# Altium PCB druino_uno_pcb.PcbDoc (part 1 of 3)
Units mm, origin at the board's own origin, x right, y up, seen from the top; angles counter-clockwise.
Board outline 68.58 x 53.34 mm, 4 copper layers (TOP, PWR, GND, BOT), stack 1.466 mm thick; 228 components, 134 nets, 720 pads, 314 vias.
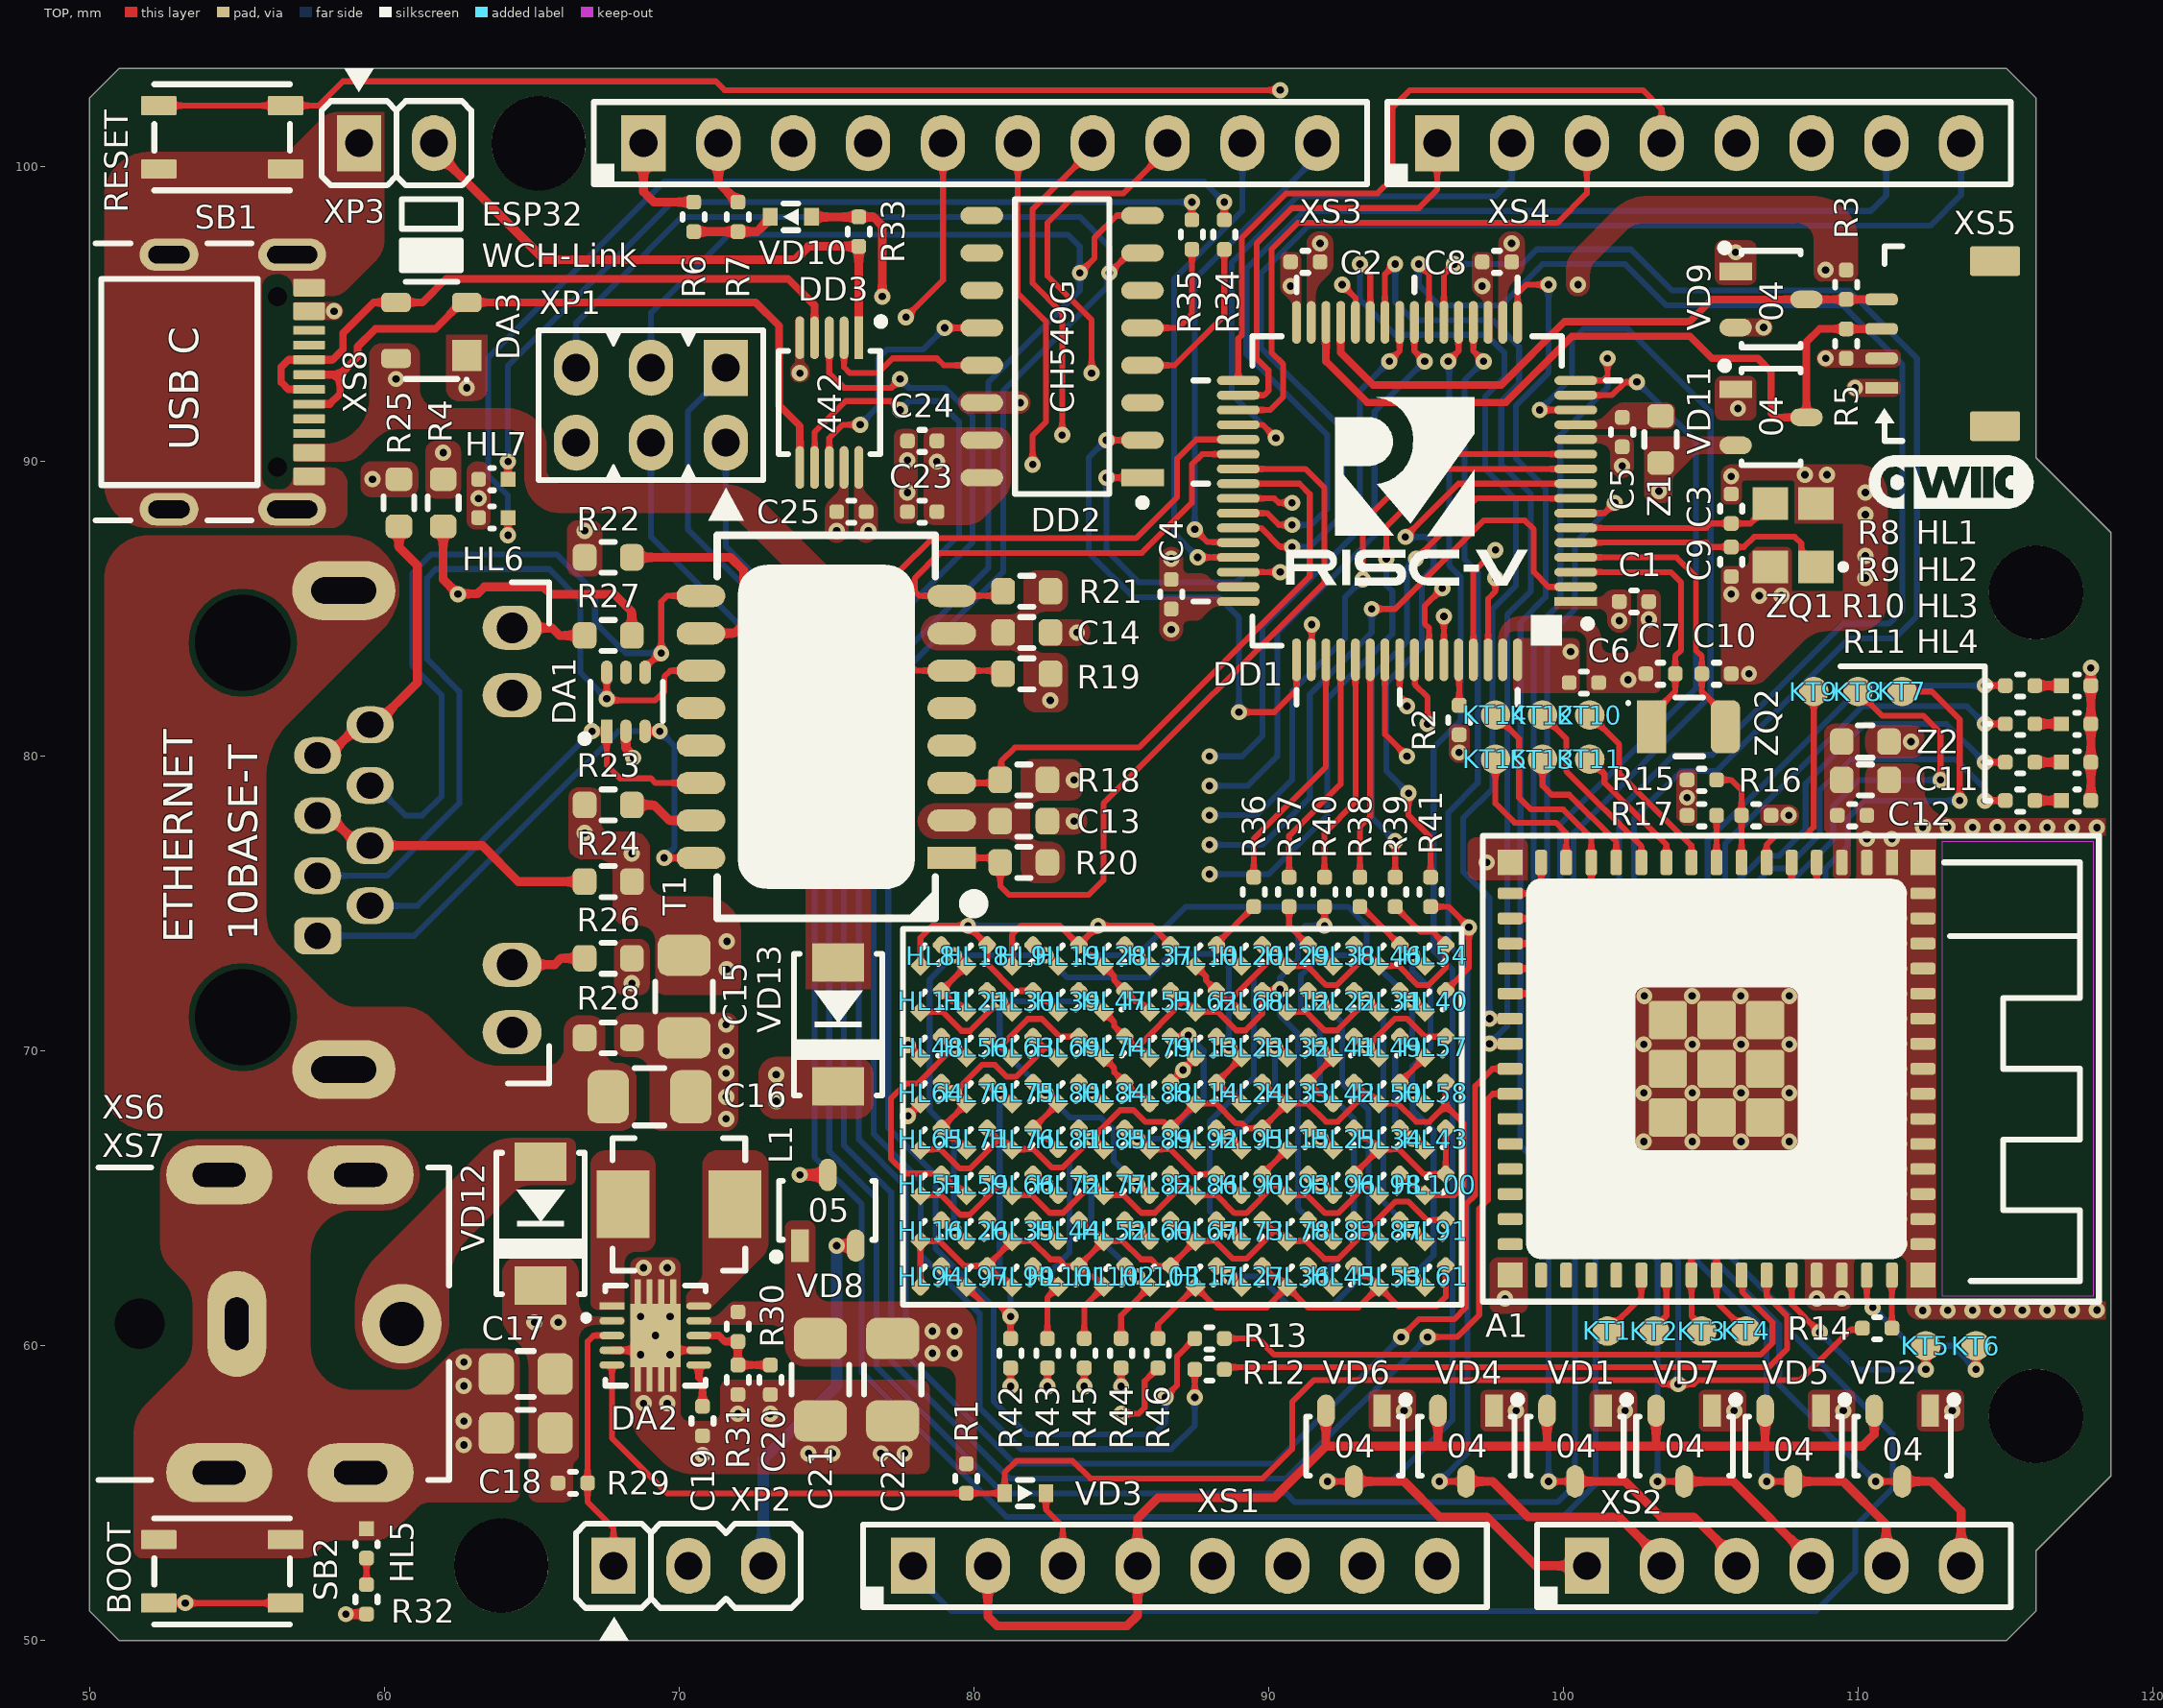
[diagram p0: TOP view]
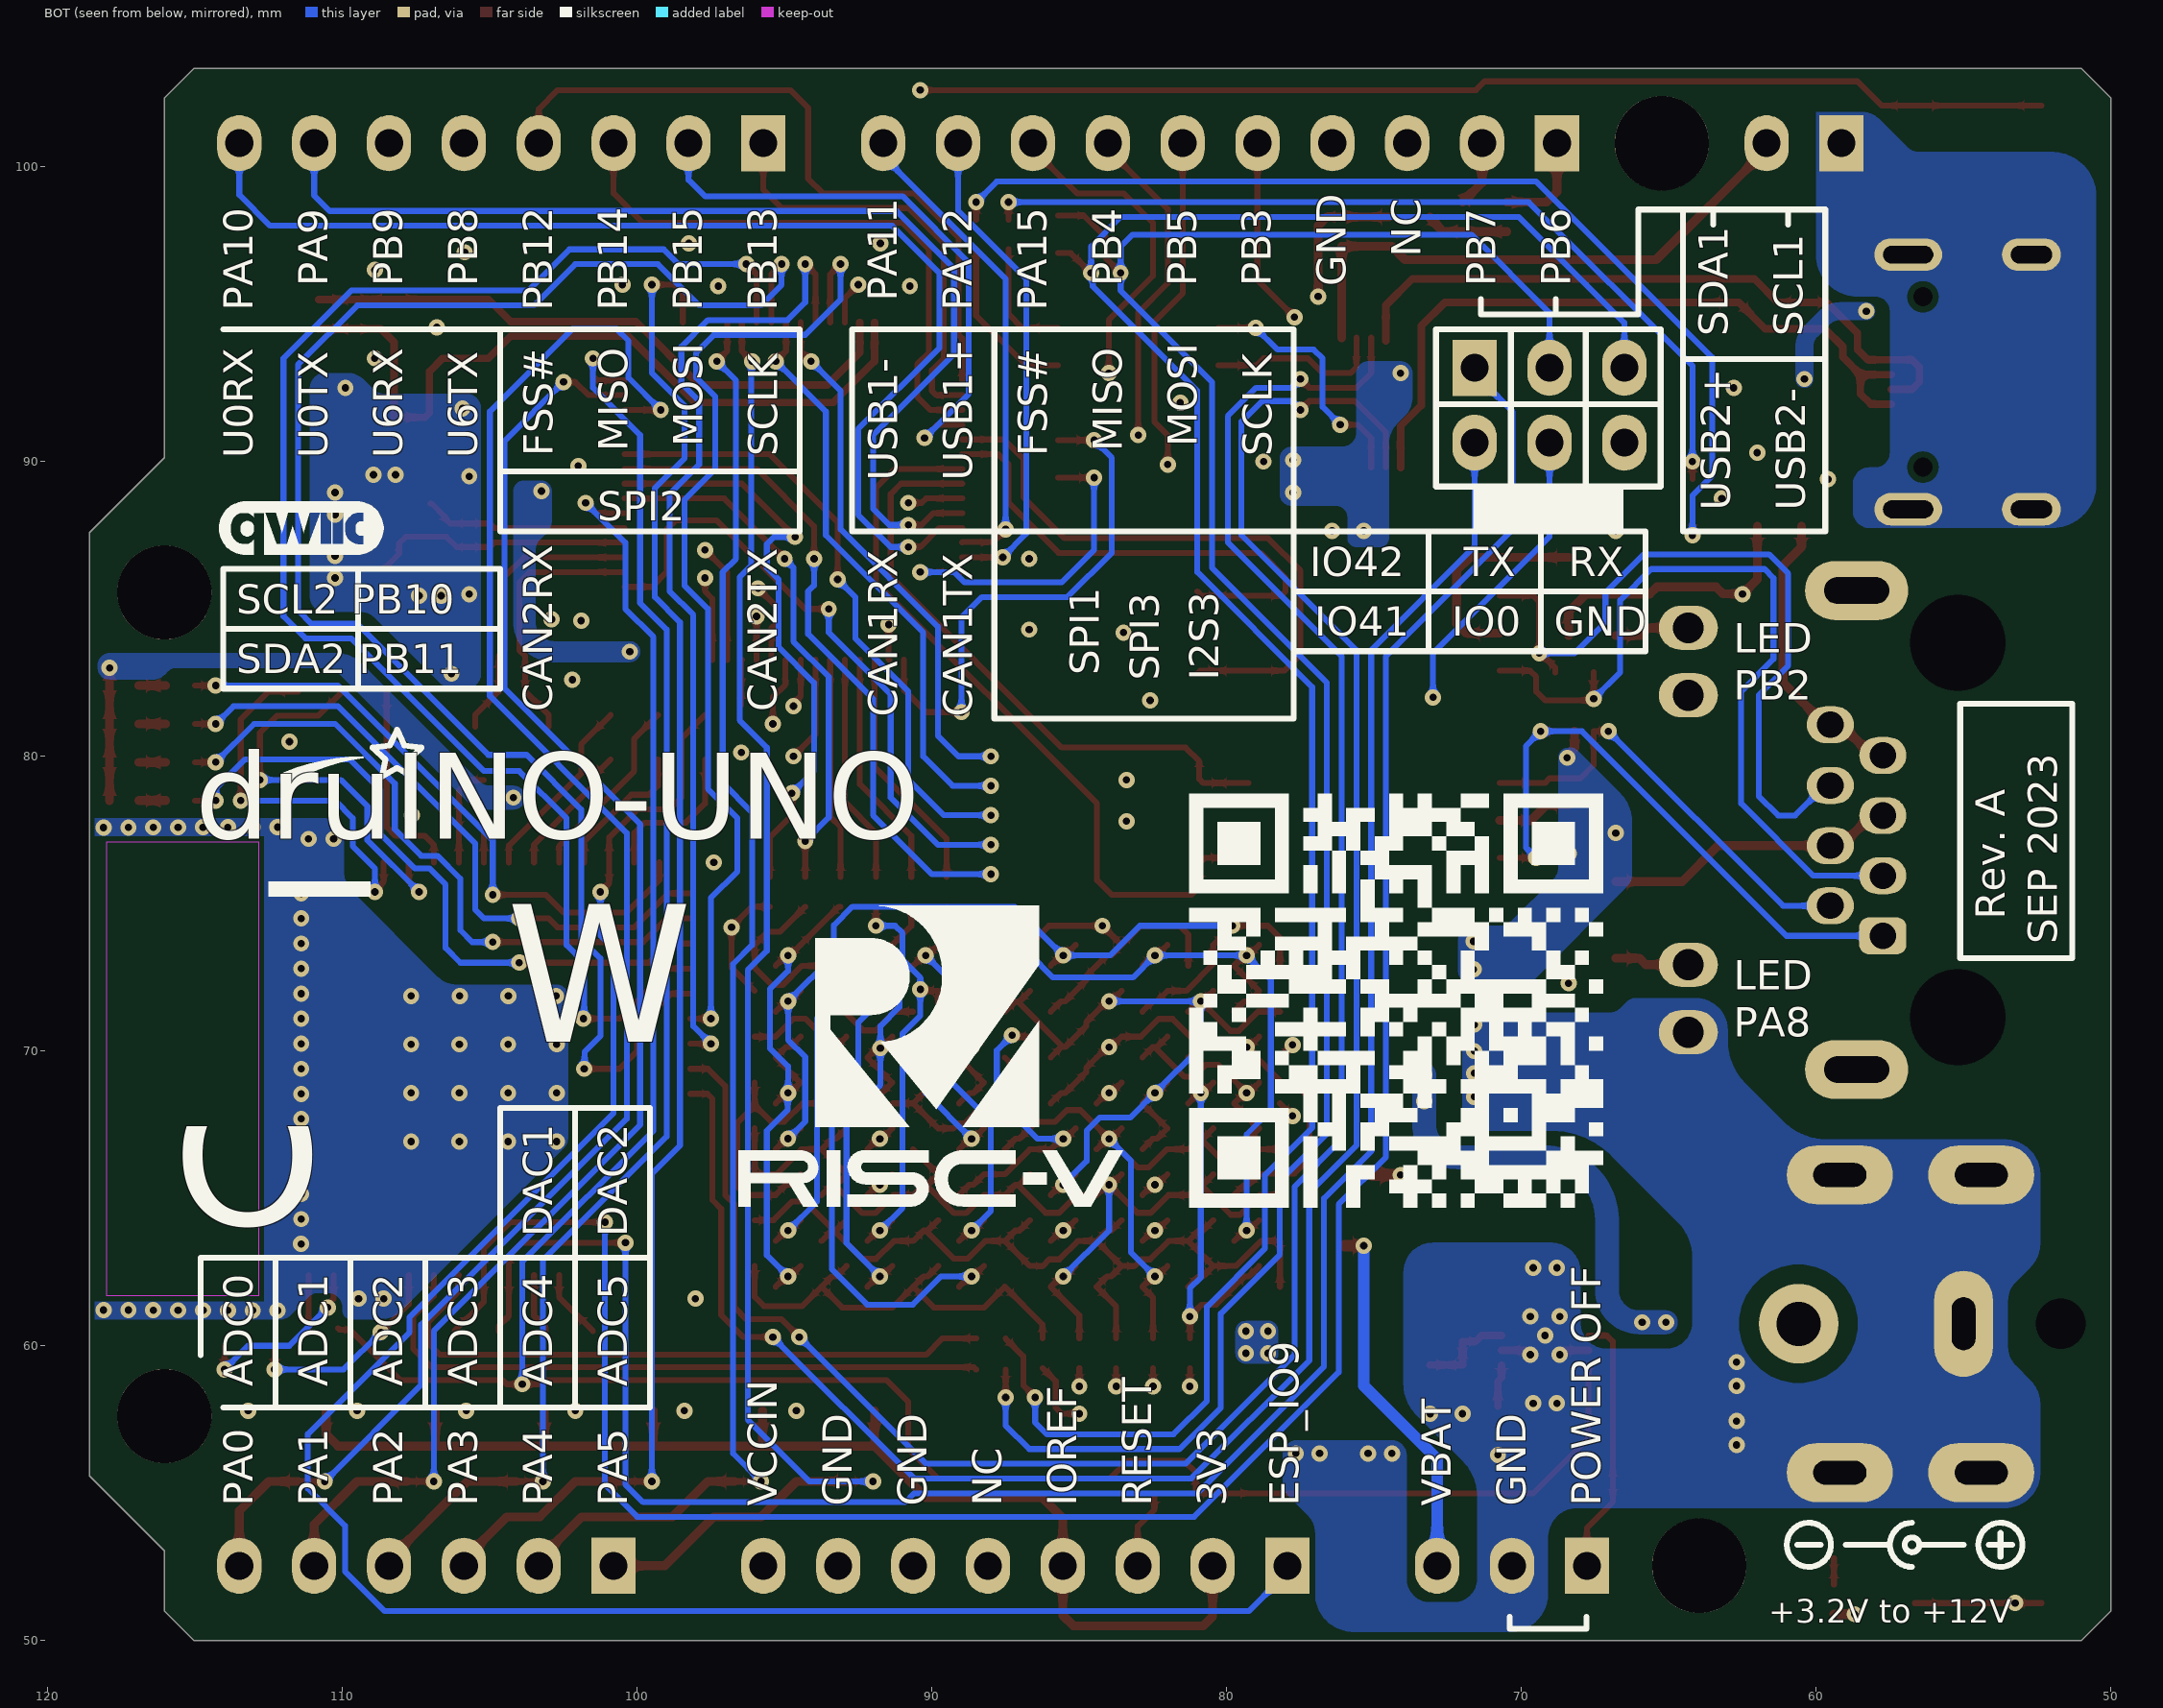
[diagram p1: BOT view, seen from below]
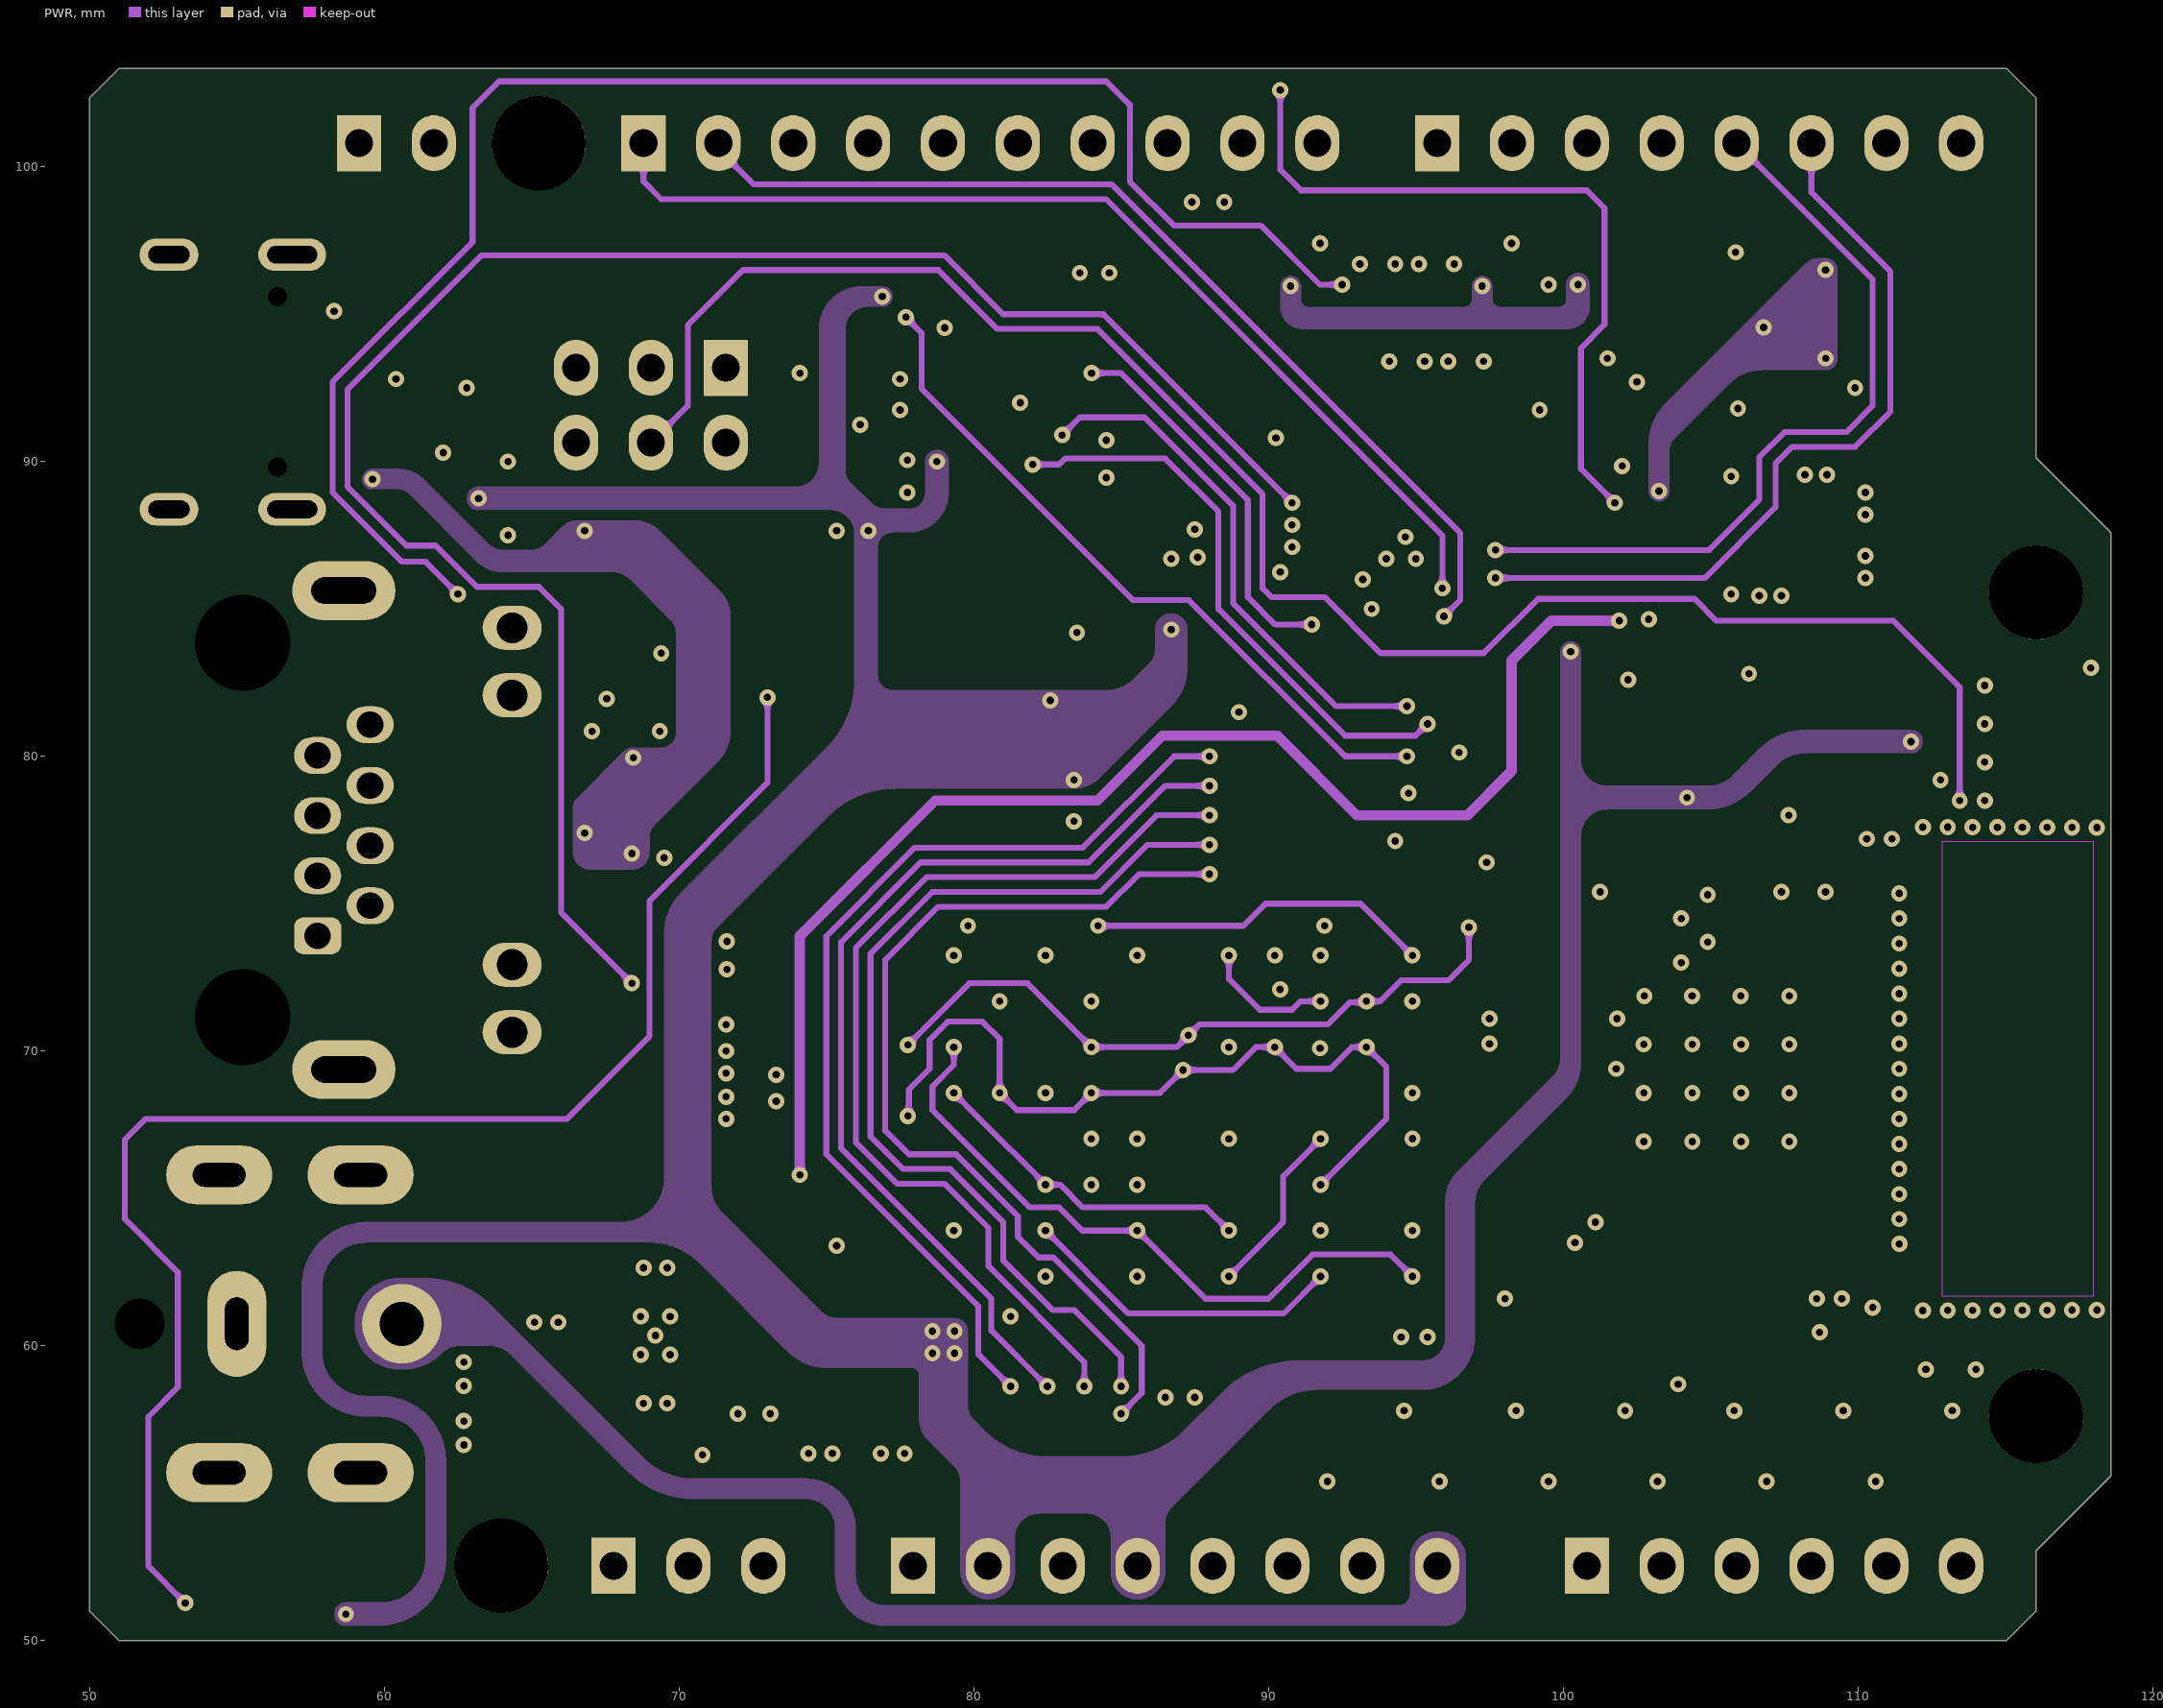
[diagram p2: PWR]
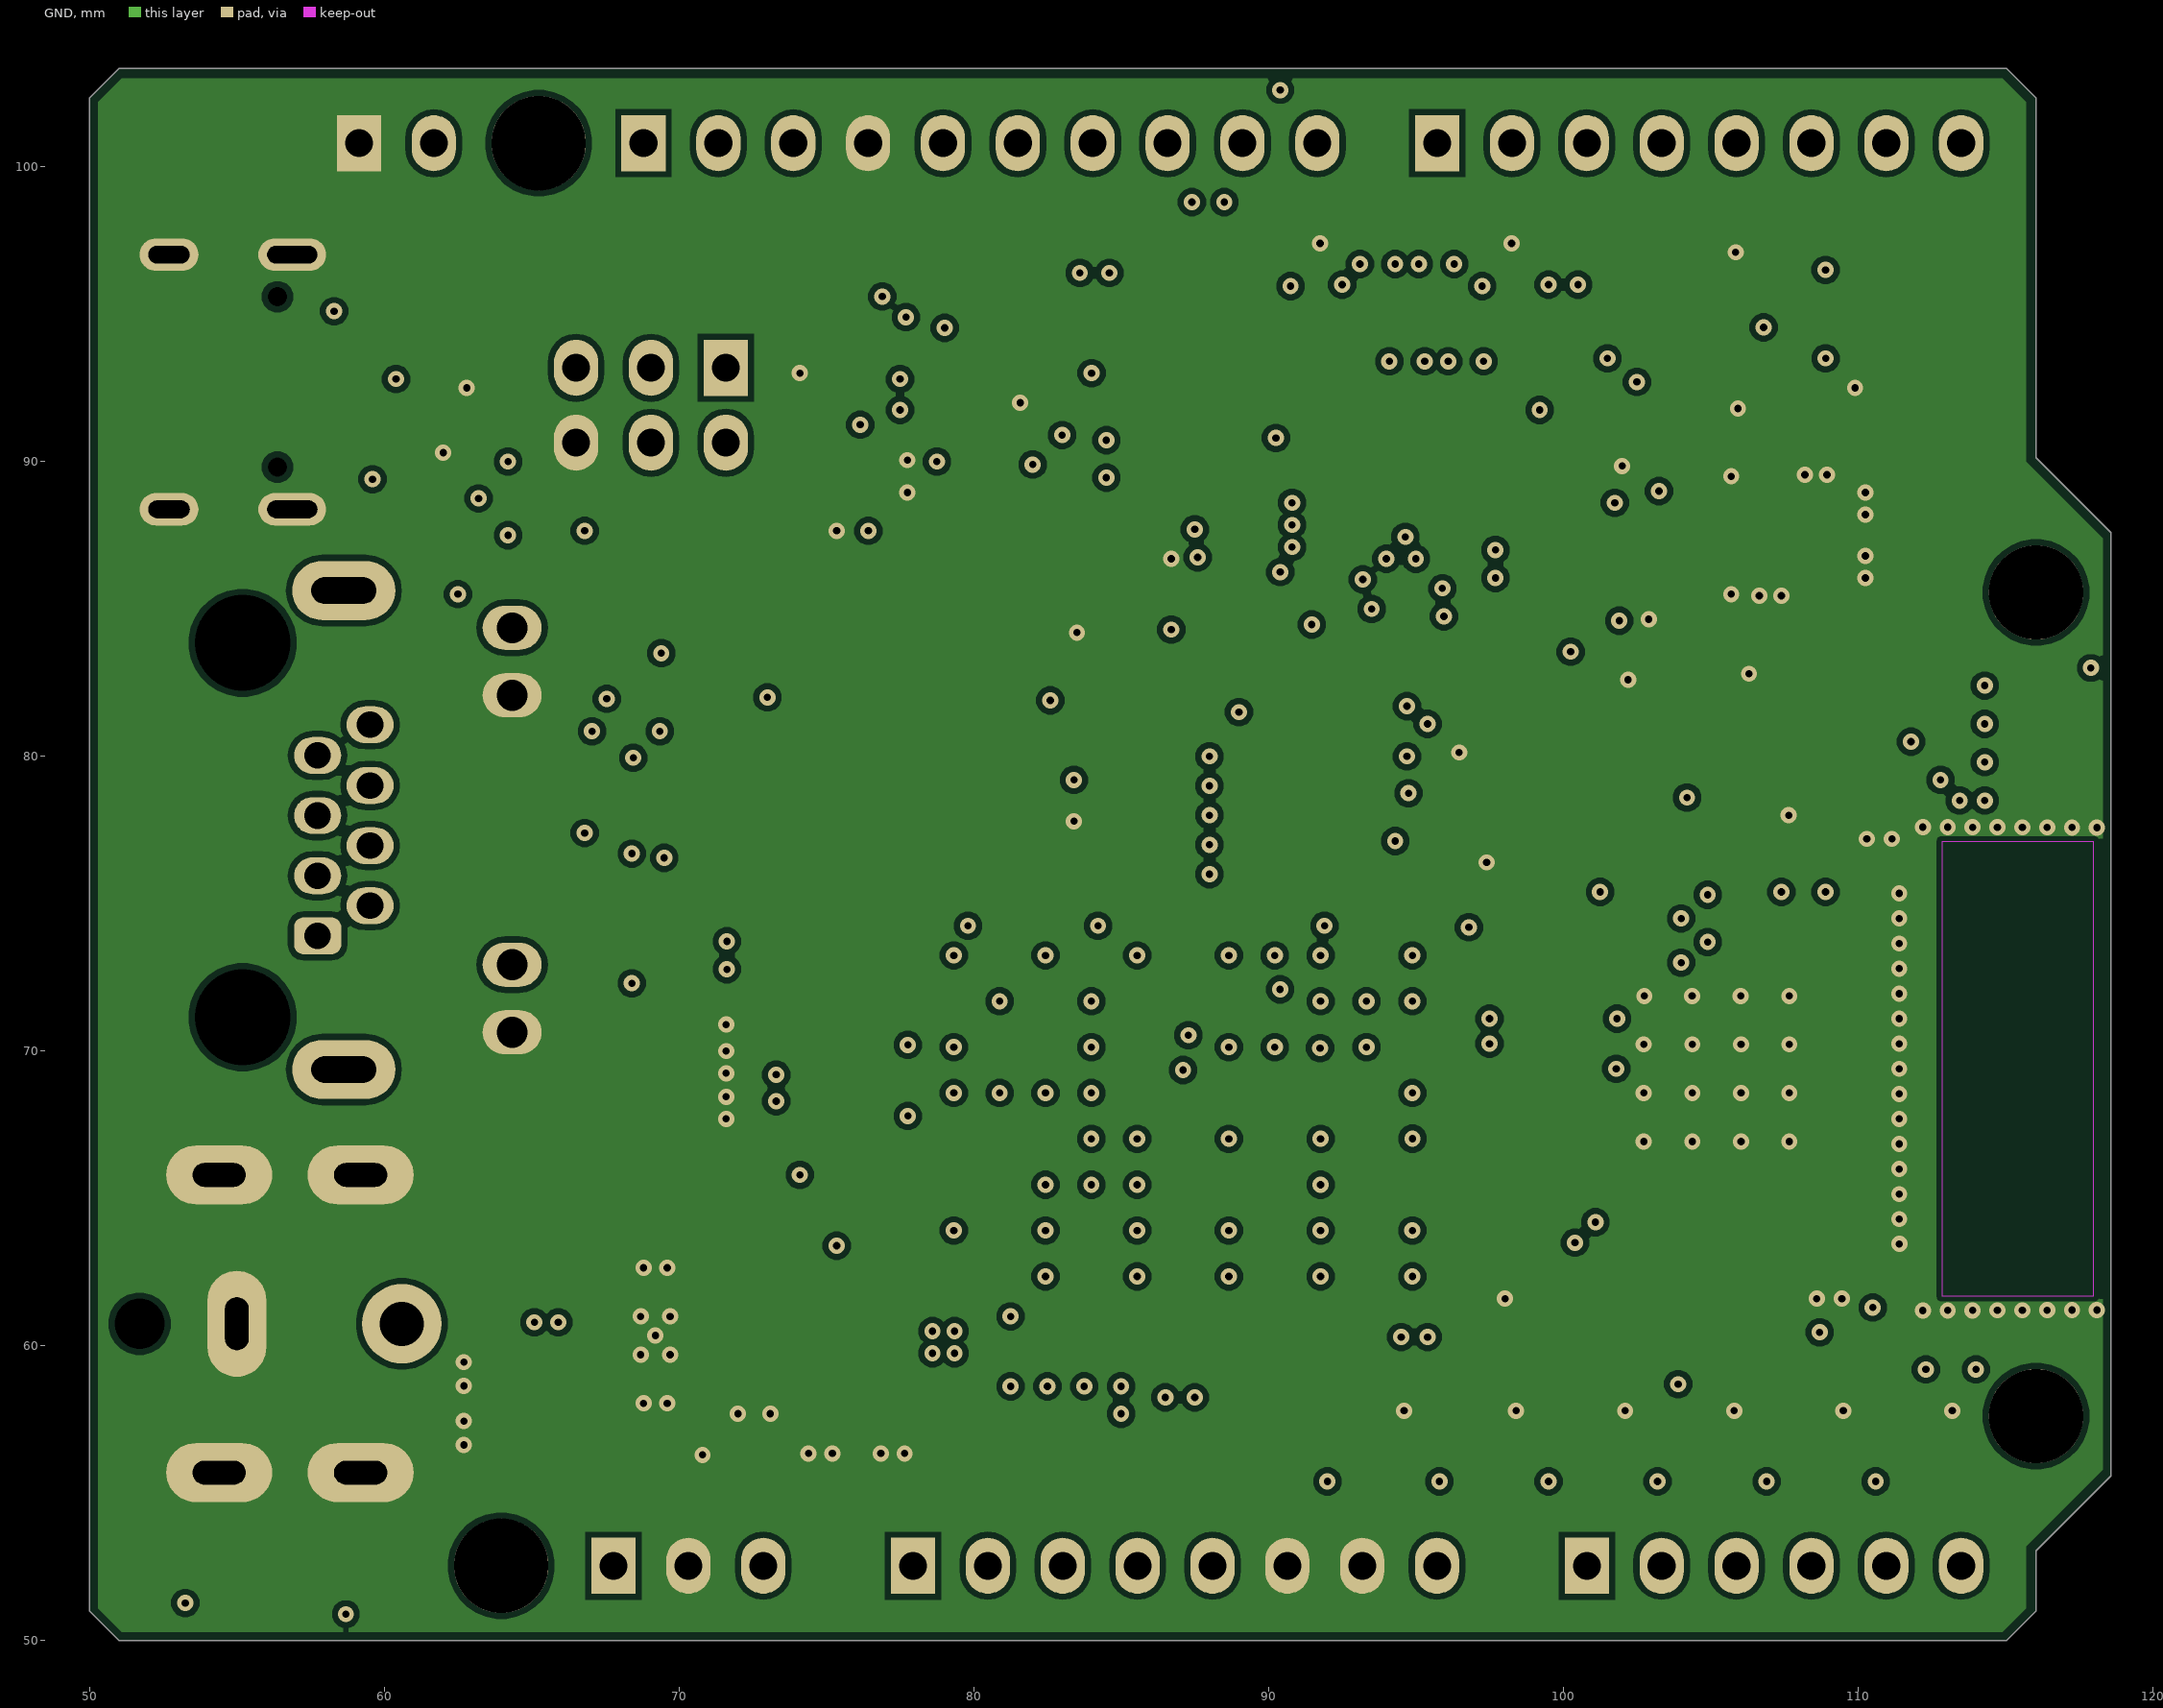
[diagram p3: GND]
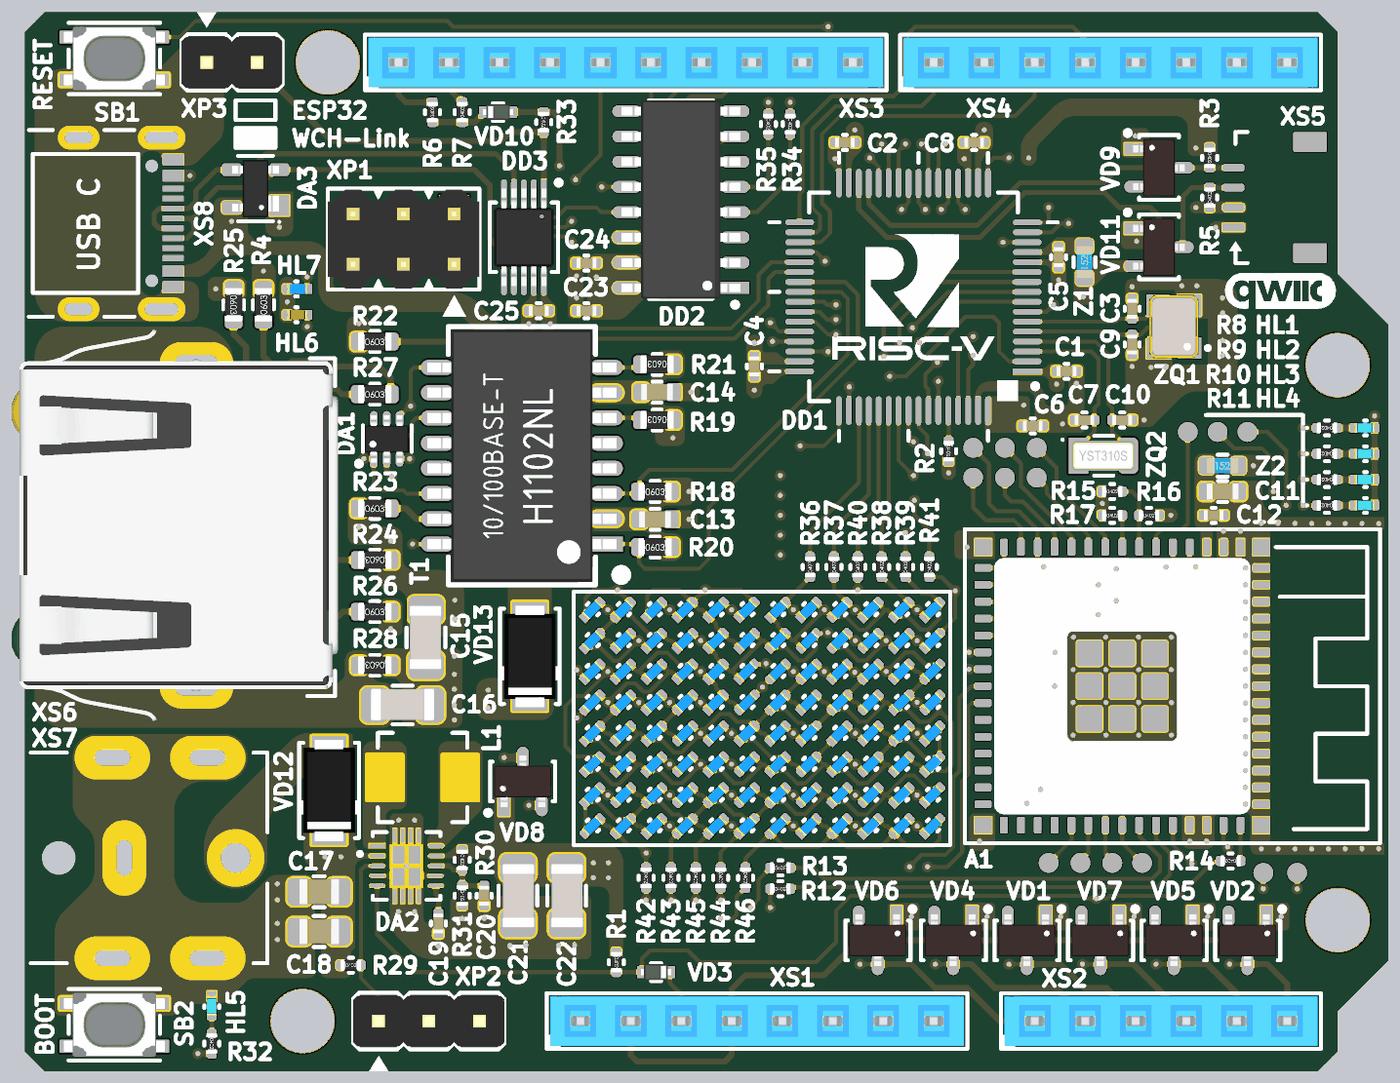
[diagram p6: 3D render of the assembled board from above, using the file's embedded part models]

## Layer stack, top to bottom
Top Solder: solder mask 0.025, Solder Resist, Dk 3.5
TOP: signal copper 0.018
Dielectric 2: prepreg 0.115, 2116 (Tg150) IPC-4101/99, Dk 4.2
PWR: signal copper 0.018
Dielectric 1: core 1.164, FR-4 (TG 150), Dk 4.6
GND: signal copper 0.018
Dielectric 3: prepreg 0.115, 2116 (Tg150) IPC-4101/99, Dk 4.2
BOT: signal copper 0.018
Bottom Solder: solder mask 0.025, Solder Resist, Dk 3.5

## Board outline
51,50 50,51 50,102.34 51,103.34 115.04,103.34 116.04,102.34 116.04,90.132 118.583,87.589 118.583,55.591 116.04,53.048 116.04,51 115.04,50

## Design rules (kind name [scope] priority, off if disabled: settings)
Clearance [All] p1: gap=0.2 ignorepadtopadclearanceinfootprint=FALSE
HoleSize [All] p1: absolutevalues=TRUE maxlimit=4 minlimit=0.25 maxpercent=80.000 minpercent=20.000
HoleToHoleClearance [All] p1: gap=0.2 allowstackedmicrovias=TRUE
MinimumSolderMaskSliver [All] p1: minsoldermaskwidth=0.125
PlaneClearance [All] p1: clearance=0.25
PlaneConnect [All] p1: planeconnectstyle=Direct reliefexpansion=0.508 reliefentries=4 reliefconductorwidth=0.254 reliefairgap=0.254
PolygonConnect [All] p1: connectstyle=Direct reliefconductorwidth=0.254 reliefentries=4 polygonreliefangle="90 Angle" airgapwidth=0.254
RoutingCorners [All] p1: cornerstyle=45-Degree minsetback=2.5 maxsetback=2.5
RoutingVias [All] p1: holewidth=0.3 width=0.7 viastyle="Through Hole" minholewidth=0.25 minwidth=0.5 maxholewidth=2 maxwidth=2.5
SilkToSilkClearance [All] p1: silktosilkclearance=0.15
SilkToSolderMaskClearance [IsPad] p1: minsilkscreentomaskgap=0.1 clearancetoexposedcopper=TRUE
SolderMaskExpansion [All] p1: expansion=0.102 istentingtop=FALSE
Width [All] p1: maxlimit=1.5 minlimit=0.2 preferedwidth=0.3 minimp=50.000000 maximp=50.000000 favimp=50.000000
22 further rules are at their usual default settings.

## Classes and differential pairs
component class p8_led_matrix: .8 HL8 HL9 HL10 HL11 HL12 HL13 HL14 HL15 HL16 HL17 HL18 HL19 HL20 HL21 HL22 HL23 HL24 HL25 HL26 HL27 HL28 HL29 HL30 HL31 HL32 HL33 HL34 HL35 HL36 HL37 HL38 HL39 HL40 HL41 HL42 HL43 HL44 HL45 HL46 HL47 HL48 HL49 HL50 HL51 HL52 HL53 HL54 HL55 HL56 HL57 HL58 HL59 HL60 HL61 HL62 HL63 HL64 HL65 HL66 HL67 HL68 HL69 HL70 HL71 HL72 HL73 HL74 HL75 HL76 HL77 HL78 HL79 HL80 HL81 HL82 HL83 HL84 HL85 HL86 HL87 HL88 HL89 HL90 HL91 HL92 HL93 HL94 HL95 HL96 HL97 HL98 HL99 HL100 HL101 HL102 HL103 R36 R37 R38 R39 R40 R41 R42 R43 R44 R45 R46
component class p6_wch_link: C23 C24 C25 DA3 DD2 DD3 HL6 HL7 R33 R34 R35 VD13 XP3 XS8
component class p5_ethernet: C13 C14 C15 C16 DA1 R18 R19 R20 R21 R22 R23 R24 R25 R26 R27 R28 T1 XS6
component class p7_power: .8 C17 C18 C19 C20 C21 C22 DA2 HL5 L1 R29 R30 R31 R32 VD12 XP2 XS7
component class p4_esp32: A1 C11 C12 HL1 HL2 HL3 HL4 KT1 KT2 KT3 KT4 KT5 KT6 KT7 KT8 KT9 KT10 KT11 KT12 KT13 KT14 KT15 R8 R9 R10 R11 R12 R13 R14 R15 R16 R17 SB2 XP1 Z2
component class p3_mcu: C1 C2 C3 C4 C5 C6 C7 C8 C9 C10 DD1 R1 R2 R3 R4 R5 R6 R7 SB1 VD1 VD2 VD3 VD4 VD5 VD6 VD7 VD8 VD9 VD10 VD11 XS1 XS2 XS3 XS4 XS5 Z1 ZQ1 ZQ2
